# Altium PCB SPEC-A7.PcbDoc (part 5 of 10)
Units mil, origin at the board's own origin, x right, y up, seen from the top; angles counter-clockwise.
Board outline 6299.21 x 3937.01 mil, 6 copper layers (Top Layer, L2, L3, L4, L5, Bottom Layer), stack 61.319 mil thick; 731 components, 479 nets, 2733 pads, 1703 vias.
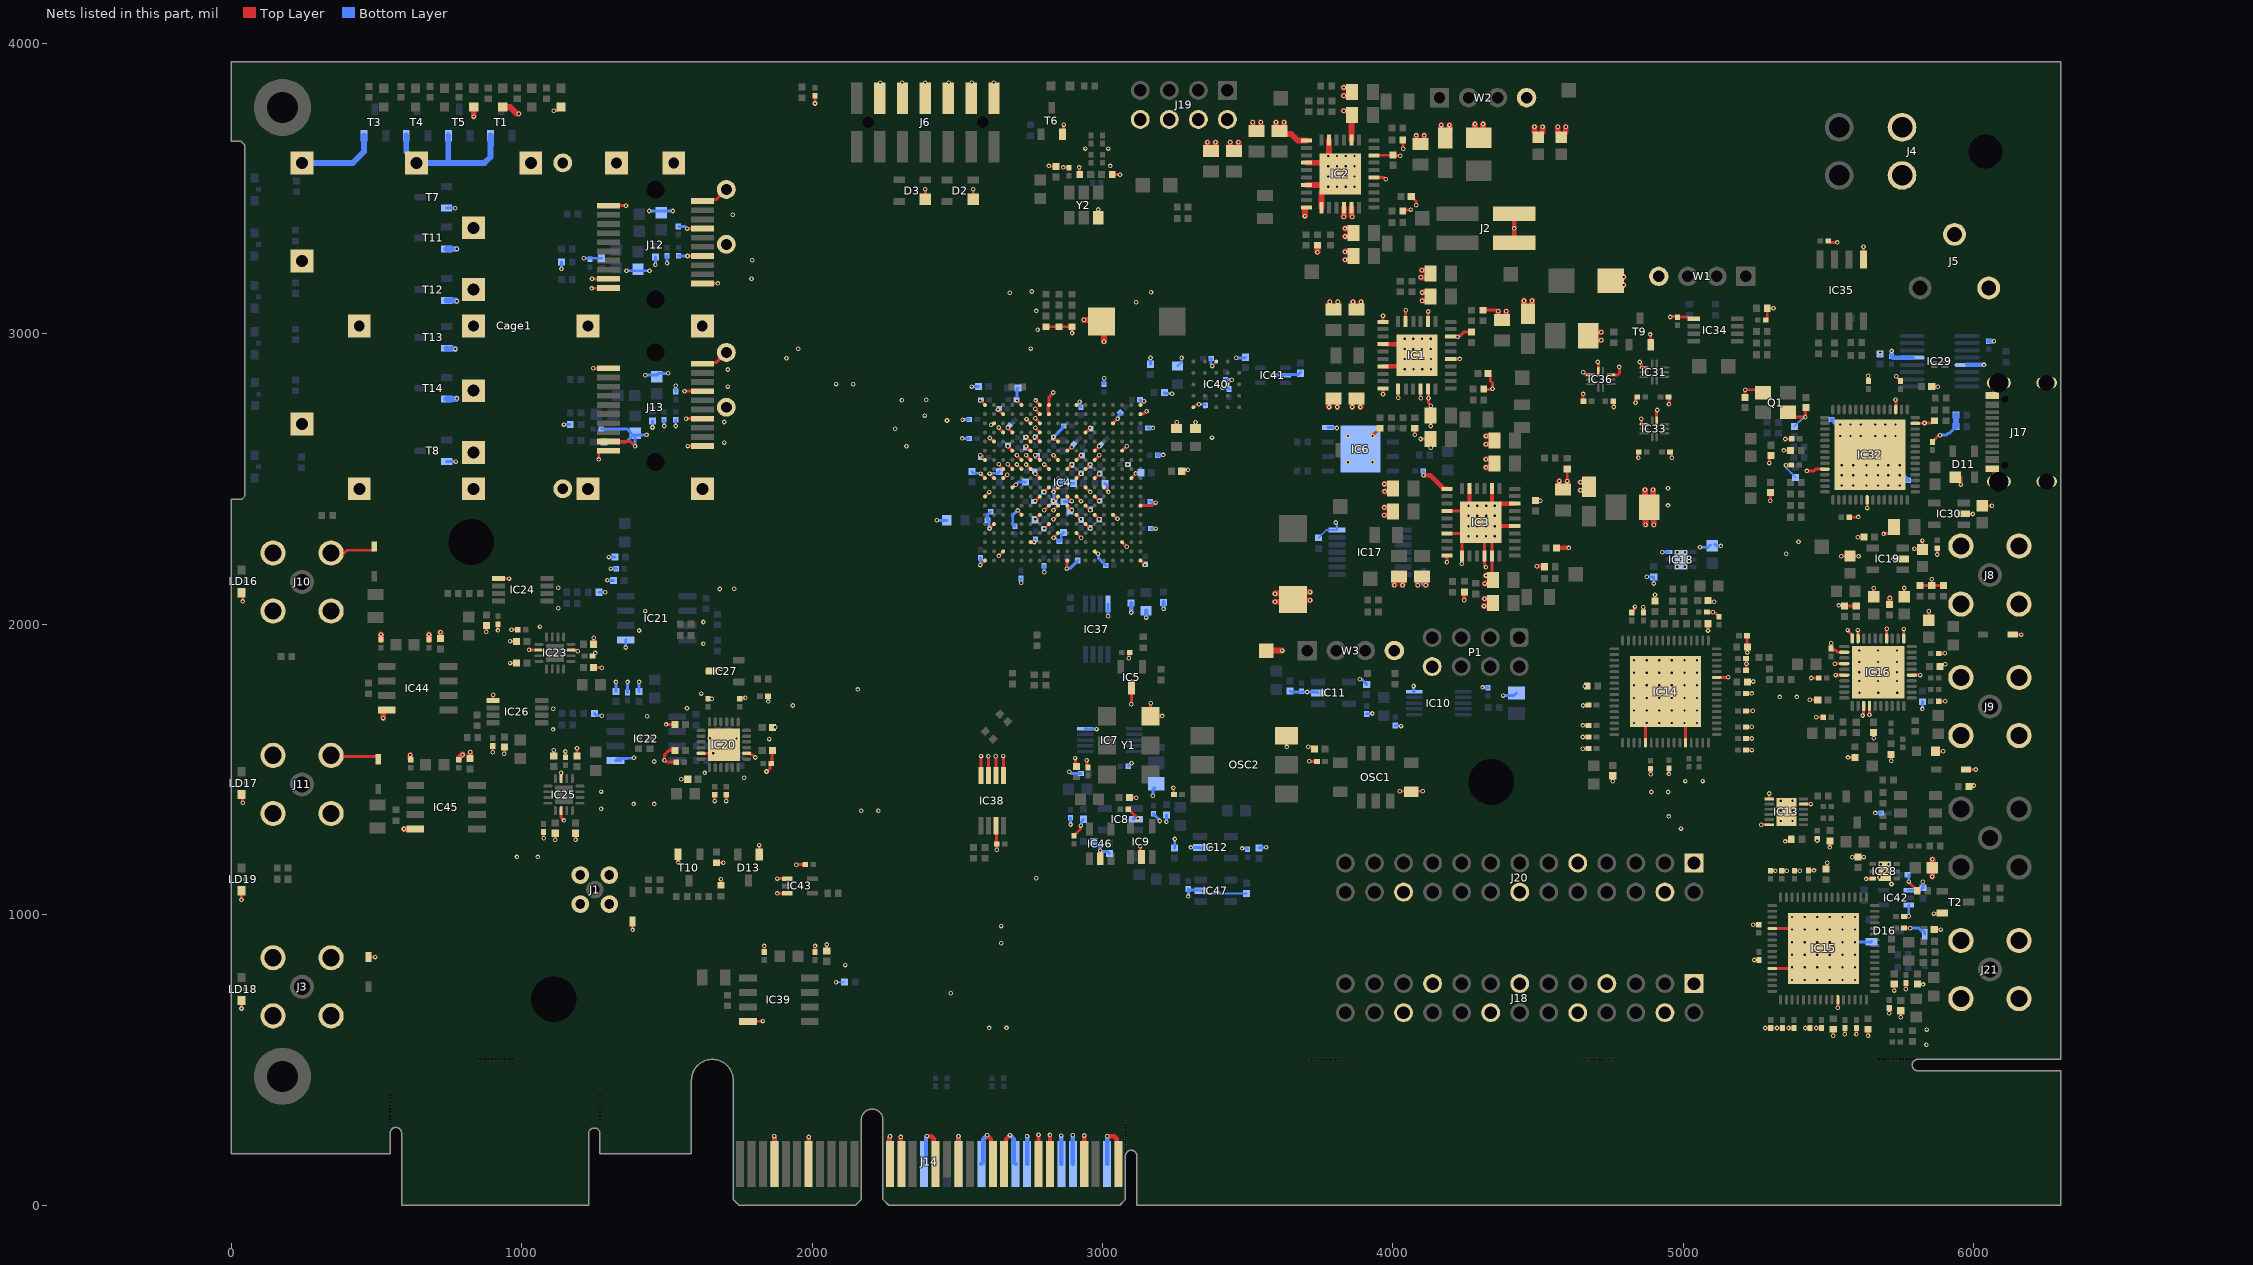
[diagram p9: the nets of this part, all layers, seen from the top]

## Via types
v1: diameter 15.75, hole 7.87, Top Layer to Bottom Layer, tented both sides, 1583 vias
v2: diameter 19.68, hole 7.87, Top Layer to Bottom Layer, tented both sides, 73 vias
v3: diameter 15.75, hole 7.87, Top Layer to Bottom Layer, 47 vias

## Nets (pads, with @x,y where several pads share a name; then routed paths per layer and width w, separated by ;. In a path a pad name is that pad's centre, name@x,y a point inside that pad or via, vN(x,y) a via of type N, cw(c..) or ccw(c..) an arc to the next point about the centre after c; other vN are vias at no path point) (continued)
GND: C1.2 C2.2 C3.2 C4.2 C5.2 C6.2 C7.1 C8.1 C9.1 C10.1 C11.1 C12.1 C13.1 C14.1 C15.1 C16.1 C17.1 C18.1 C19.1 C20.1 C21.1 C22.1 C23.1 C24.1 C25.1 C26.1 C27.1 C28.1 C29.1 C30.1 C31.1 C32.1 C33.1 C34.1 C35.1 C36.1 C37.1 C38.1 C39.1 C40.1 C41.1 C42.1 C43.1 C52.1 C54.1 C56.1 C57.1 C58.1 C59.1 C60.1 C61.1 C62.1 C63.1 C64.1 C65.1 C66.1 C67.1 C68.1 C69.1 C70.1 C71.1 C72.1 C73.1 C74.1 C75.1 C76.1 C77.1 C78.1 C79.1 C80.1 C81.1 C82.1 C83.1 C84.1 C85.1 C86.1 C87.1 C88.1 C89.1 C90.1 C91.1 C92.1 C93.1 C94.1 C95.1 C96.1 C97.1 C98.1 C99.1 C100.1 C101.1 C102.1 C103.2 C104.2 C105.1 C106.1 C107.1 C108.1 C109.1 C110.1 C111.1 C112.1 C113.1 C114.1 C115.1 C116.1 C117.1 C118.1 C119.1 C120.1 C121.1 C122.1 C123.1 C124.1 C125.1 C126.1 C127.1 C128.1 C129.1 C130.1 C131.1 C132.1 C133.1 C134.1 C135.1 C136.1 C137.1 C138.1 C139.1 C140.1 C141.1 C142.1 C143.1 C144.1 C145.1 C146.1 C147.1 C148.1 C149.1 C150.1 C153.1 C154.1 C155.1 C156.1 C157.1 C158.1 C159.1 C160.1 C161.1 C162.1 C163.1 C164.1 C168.2 C171.1 C172.1 C175.1 C176.1 C181.1 C182.1 C183.1 C184.1 C185.1 C186.1 C187.1 C188.1 C189.1 C190.1 C191.1 C192.1 C193.1 C194.1 C195.1 C196.1 C197.1 C198.1 C199.1 C200.1 C201.1 C202.1 C203.1 C204.1 C205.1 C206.1 C207.1 C208.1 C209.1 C210.1 C211.1 C212.1 C213.1 C214.1 C215.1 C216.1 C217.1 C218.1 C219.1 C220.1 C225.1 C226.1 C227.1 C229.1 C230.1 C231.1 C232.1 C233.1 C234.1 C235.1 C236.1 C237.1 C238.1 C239.1 C240.1 C241.1 C242.1 C243.1 C244.1 C245.1 C246.1 C247.1 C248.1 C249.1 C250.1 C251.1 C252.1 C253.1 C254.1 C255.1 C256.1 C257.1 C258.1 C259.1 C260.1 C261.1 C262.1 C263.1 C264.1 C265.1 C266.1 C267.1 C268.1 C269.1 C270.1 C271.1 C272.1 C273.1 C274.1 C275.1 C276.1 C277.1 C278.1 C279.1 C280.1 C281.1 C282.1 C283.1 C284.1 C285.1 C286.1 C287.1 C288.1 C289.1 C290.1 C291.1 C292.1 C293.1 C294.1 C295.1 C296.1 C297.1 C298.1 C299.1 C300.1 C301.1 C302.1 C303.1 C304.1 C305.1 C306.1 C307.1 C308.1 C309.1 C310.1 C311.1 C312.1 C313.1 C314.2 C315.1 C316.1 C317.1 C318.1 C319.1 C320.1 C321.1 C322.1 C323.1 C324.1 C325.1 C326.1 C327.1 C328.1 C329.1 C330.1 C331.1 C332.2 C333.2 C334.1 C337.1 C338.1 C339.1 C351.1 C352.1 C353.1 C354.1 C355.1 C356.1 C357.1 Cage1.1 Cage1.2 Cage1.3 Cage1.4 Cage1.5 Cage1.6 Cage1.7 Cage1.8 Cage1.9 Cage1.10 Cage1.11 Cage1.12 Cage1.13 Cage1.14 Cage1.15 Cage1.16 Cage1.17 Cage1.18 Cage1.19 Cage1.20 Cage1.21 Cage1.22 Cage1.23 Cage1.24 Cage1.25 D1.2 D2.1 D3.1 D5.2 D6.2 D7.2 D8.2 D11.1 D12.2 D13.1 D14.2 D15.2 D16.1 IC1.2 IC1.5 IC1.7 IC1.10 IC1.13 IC1.16 IC1.17 IC1.20 IC1.21 IC1.27 IC1.30 IC1.33 IC2.2 IC2.5 IC2.7 IC2.10 IC2.13 IC2.16 IC2.17 IC2.20 IC2.21 IC2.27 IC2.30 IC2.33 IC3.2 IC3.5 IC3.7 IC3.10 IC3.13 IC3.16 IC3.17 IC3.20 IC3.21 IC3.27 IC3.30 IC3.33 IC4.A1 IC4.A5 IC4.A7 IC4.A8 IC4.A11 IC4.A18 IC4.B3 IC4.B7 IC4.B8 IC4.B18 IC4.C2 IC4.C6 IC4.C7 IC4.C15 IC4.D3 IC4.D4 IC4.D7 IC4.D12 IC4.E2 IC4.E6 IC4.E7 IC4.E9 IC4.F4 IC4.F6 IC4.F10 IC4.F13 IC4.F16 IC4.G1 IC4.G5 IC4.G6 IC4.G7 IC4.G9 IC4.G11 IC4.G13 IC4.H3 IC4.H4 IC4.H5 IC4.H6 IC4.H8 IC4.H10 IC4.H12 IC4.J1 IC4.J2 IC4.J3 IC4.J7 IC4.J11 IC4.J13 IC4.J17 IC4.K4 IC4.K8 IC4.K9 IC4.K12 IC4.K14 IC4.L1 IC4.L7 IC4.L9 IC4.L10 IC4.L11 IC4.L13 IC4.M8 IC4.M9 IC4.M10 IC4.M12 IC4.M18 IC4.N5 IC4.N7 IC4.N9 IC4.N11 IC4.N13 IC4.N15 IC4.P2 IC4.P8 IC4.P12 IC4.R9 IC4.R11 IC4.T6 IC4.T16 IC4.U3 IC4.U13 IC4.V1 IC4.V10 IC4.V18 IC5.3 IC6.4 IC6.9 IC7.5 IC8.2 IC9.2 IC10.5 IC11.2 IC12.2 IC13.5 IC13.7 IC13.12 IC13.13 IC14.37 IC14.44 IC14.59 IC14.65 IC15.37 IC15.44 IC15.59 IC15.65 IC16.2 IC16.4 IC16.6 IC16.13 IC16.14 IC16.25 IC16.31 IC16.34 IC16.39 IC16.40 IC16.41 IC17.7 IC18.3 IC18.7 IC19.2 IC20.11 IC20.20 IC20.25 IC21.5 IC22.5 IC23.7 IC23.14 IC24.5 IC25.7 IC25.14 IC26.5 IC27.3 IC28.3 IC28.7 IC29.5 IC29.13 IC30.2 IC31.3 IC32.10 IC32.21 IC32.41 IC32.45 IC32.57 IC33.1 IC33.3 IC34.1 IC35.5 IC36.2 IC36.3 IC36.10 IC37.4 IC38.1 IC38.2 IC38.3 IC38.4 IC38.7 IC39.4 IC40.B3 IC40.C1 IC40.E5 IC41.2 IC42.1 IC42.3 IC43.1 IC43.3 IC44.4 IC45.4 IC46.2 IC47.2 J1.2 J2.2 J2.4 J3.2 J4.1 J4.2 J5.2 J5.3 J6.1 J6.3 J6.5 J6.7 J6.9 J6.11 J8.2 J9.2 J10.2 J11.2 J12.1 J12.9 J12.10 J12.11 J12.14 J12.17 J12.20 J13.1 J13.9 J13.10 J13.11 J13.14 J13.17 J13.20 J14.A4 J14.A12 J14.A15 J14.A18 J14.A20 J14.A23 J14.A24 J14.A27 J14.A28 J14.A31 J14.B4 J14.B7 J14.B12 J14.B13 J14.B16 J14.B18 J14.B21 J14.B22 J14.B25 J14.B26 J14.B29 J14.B32 J17.1 J17.2 J17.3 J17.4 J17.A1-B12 J17.B1-A12 J18.1 J18.4 J18.7 J18.10 J18.13 J18.16 J18.19 J18.22 J19.2 J19.4 J19.6 J19.8 J20.1 J20.4 J20.9 J20.14 J20.22 J21.2 L1.2 LD2.1 LD6.1 LD7.1 LD9.1 LD16.1 LD17.1 LD18.1 LD19.1 OSC1.4 OSC2.3 P1.8 Q1.2 Q1.4 R5.1 R9.1 R12.1 R13.1 R18.1 R21.1 R23.1 R25.1 R37.1 R39.1 R54.1 R55.1 R56.1 R63.1 R65.1 R66.1 R67.1 R68.1 R69.1 R70.1 R71.1 R76.2 R77.2 R81.1 R98.1 R103.1 R104.1 R105.2 R106.2 R112.1 R114.1 R122.1 R128.1 R129.1 R130.1 R147.2 R152.1 R153.1 R156.2 R157.2 R158.2 R177.1 R178.1 R194.1 R199.1 T1.2 T2.2 T3.2 T4.2 T5.2 T6.2 T7.2 T8.2 T9.2 T10.2 T11.2 T12.2 T13.2 T14.2 TP6.1 W1.4 W2.4 W3.4 Y1.3 Y2.3 | length 25367.8
  Top Layer w6: IC40.E5@3312.89,2747.26 3314.89,2747.26 3322.84,2755.21 3330.15,2755.21 v1(3332,2757.06) ; v1(3378,2889) 3378,2890.06 3391.63,2903.68 IC40.C1@3391.63,2904.74 ; IC40.B3@3431,2826 3431,2827 3445,2841 v1(3445,2842)
  Top Layer w10: v1(35.43,677.17) LD18.1@35.43,704.72 ; v1(35.43,1051.18) LD19.1@35.43,1082.68 ; LD17.1@36.06,1413.39 38.27,1411.18 38.27,1386.93 v1(39.37,1385.83) ; v1(39.37,2078.74) 39.69,2079.06 39.69,2108.32 LD16.1@40,2108.63 ; 389.33,1544.88 501.22,1544.88 506.06,1540.04 D8.2@506.06,1535.16 ; 389.33,2245.67 398.66,2255 487.28,2255 492.13,2259.84 D7.2@492.13,2267.72 ; D14.2@472.44,854.33 v1(496.06,854.33) ; v1(878.33,1973.9) 878.4,1973.97 878.4,1996.11 C265.1@878.46,1996.18 ; v1(900.59,1559.57) C273.1@900.59,1580.79 ; IC26.5@901.93,1737.95 v1(901.93,1757.83) ; v1(918.46,1978.9) C266.1@918.46,2000.12 ; IC24.5@919.8,2157.28 919.9,2157.38 956.59,2157.38 v1(956.69,2157.48) ; v1(940.59,1554.57) C272.1@940.59,1576.85 ; v1(960.08,1866.38) C280.1@982.36,1866.38 ; v1(960.08,1941.38) C264.1@982.36,1941.38 ; v1(965.08,1981.38) C262.1@986.3,1981.38 ; v1(1025.58,1912.05) 1026.34,1911.3 IC23.14@1049.21,1911.3 ; v1(1075.67,1263.39) C269.1@1075.67,1284.61 ; v1(1110.12,3767.86) 1111.67,3767.86 1113.56,3769.75 1124.25,3769.75 LD2.1@1135,3780.5 ; C270.1@1110.67,1546.1 v1(1110.67,1566.08) ; v1(1115.67,1258.39) C267.1@1115.67,1280.67 ; IC25.14@1135.83,1358.27 1135.91,1358.19 1135.91,1334.42 v1(1145.67,1324.65) ; IC25.7@1135.83,1468.5 v1(1135.83,1488.54) ; C268.1@1150.67,1542.17 v1(1150.67,1561.93) ; IC23.7@1170.2,1911.22 1170.28,1911.14 1187.45,1911.14 1191.27,1907.32 v1(1192.82,1907.32) v1@1192.96,1907.19 ; v1(1185.67,1258.39) C279.1@1185.67,1280.67 ; C271.1@1190.67,1546.1 v1(1190.67,1573.39) ; v1(1240.83,3156.38) 1241.52,3157.07 1298.52,3157.07 J12.10@1299.21,3157.76 ; v1(1242.32,3189.25) J12.9@1299.21,3189.25 ; C261.1@1243.86,1891.38 v1(1253.86,1901.38) ; v1(1246.97,2881.22) J13.1@1299.21,2881.22 ; C260.1@1247.8,1851.38 1248.2,1850.97 1275.49,1850.97 v1(1275.89,1850.56) ; C263.1@1247.8,1931.38 v1(1247.8,1954.09) ; v1(1265.63,2567.56) 1265.63,2592.91 1270.47,2597.76 J13.10@1299.21,2597.76 ; J13.9@1299.21,2629.25 1373.94,2629.25 v1(1390.63,2612.56) ; J12.1@1299.21,3441.22 v1(1359.29,3441.22) ; v1(1324.67,1801.42) v1@1324.67,1802.97 ; v1@1363.57,1802.52 v1(1364.67,1801.42) ; v1(1381.89,947.56) D12.2@1381.89,976.38 ; v1(1497.19,1655.2) C276.1@1528.31,1655.2 ; C277.1@1528.31,1565.2 1506.15,1565.2 1491.52,1550.57 v1(1491.52,1531.56) 1493.07,1531.56 1499.43,1525.2 C253.1@1532.25,1525.2 ; v1(1538.74,1180.1) T10.2@1538.74,1207.78 ; v1(1549.13,1466.42) C256.1@1571.95,1466.42 ; v1(1560.71,2802.48) J13.17@1622.05,2802.48 ; v1(1566.06,2707.99) J13.14@1622.05,2707.99 ; v1(1570.55,3362.48) J12.17@1622.05,3362.48 ; v1(1571.06,3267.99) J12.14@1622.05,3267.99 ; v1(1571.57,2613.5) J13.11@1622.05,2613.5 ; IC20.11@1617.29,1555.68 1645.91,1555.68 1648.53,1558.29 v1(1648.53,1607.56) 1673.67,1607.56 IC20.25@1696.03,1585.2 ; J13.20@1622.05,2896.97 1626.89,2901.81 1670.51,2901.81 Cage1.19@1704.72,2936.02 ; J12.11@1622.05,3173.5 v1(1674.68,3173.5) ; J12.20@1622.05,3456.97 1626.89,3461.81 1669.49,3461.81 Cage1.17@1704.72,3497.05 ; C255.1@1641.03,1743.98 1641.42,1743.59 1653.9,1743.59 v1(1654.29,1743.2) ; IC27.3@1653.54,1838.58 1660.32,1845.36 1683.94,1845.36 v1(1685.04,1846.46) ; v1(1664.67,1391.42) C252.1@1664.67,1412.64 ; R153.1@1671.14,1179 v1(1694.65,1179) ; R152.1@1686.14,1101.01 v1(1686.14,1122.51) ; v1(1704.67,1391.42) C251.1@1704.67,1412.64 ; C254.1@1751.03,1743.98 1752.48,1743.98 1754.89,1746.39 1769.32,1746.39 v1(1770.42,1747.49) ; IC20.20@1774.77,1555.68 1785.1,1555.68 1788.88,1551.9 1792.97,1551.9 1803.45,1541.42 v1(1804.67,1541.42) ; IC39.4@1779.05,632.58 1779.69,633.22 1830.07,633.22 v1(1830.71,633.86) ; D13.1@1818.54,1207.78 v1(1818.54,1239.91) ; C303.1@1835.35,871.36 v1(1835.35,892.58) ; v1(1843.04,1493.04) 1844.6,1493.04 1853.27,1501.71 1854.96,1501.71 1854.96,1516.35 1858.82,1520.2 C250.1@1859.81,1520.2 1861.78,1522.17 1861.78,1563.24 C278.1@1863.74,1565.2 ; C274.1@1848.43,1751.97 1848.92,1751.48 1848.92,1734.95 v1(1849.41,1734.45) ; C275.1@1863.74,1645.2 v1(1872.95,1645.2) C275.1@1874.05,1646.3 ; v1(1880.5,1073.41) IC43.3@1914.69,1073.41 ; v1(1880.5,1124.59) IC43.1@1914.69,1124.59 ; v1(1945.14,1172.51) C54.1@1972.43,1172.51 ; v1(2010,3792.98) C134.1@2010,3819.2 ; C324.1@2010.35,871.36 v1(2010.35,892.58) ; C325.1@2050.35,875.3 v1(2050.35,897.58) ; J6.11@2232.52,3811.64 2235,3814.12 v1(2235,3865.1) ; v1(2310,3865.1) 2310,3812.9 J6.9@2311.26,3811.64 ; v1(2390,3497.98) 2390.28,3497.7 D3.1@2390.28,3463.45 ; J6.7@2390,3811.64 v1(2390,3865.1) ; J6.5@2468.74,3811.64 2470,3812.9 v1(2470,3865.1) ; J6.3@2547.48,3811.64 2550,3814.16 v1(2550,3865.1) ; D2.1@2555,3462.98 v1(2555,3497.98) ; v1(2579.29,2203.76) IC4.V1@2595.04,2219.51 ; v1(2579.29,2581.72) IC4.G1@2595.04,2565.97 ; v1(2579.29,2770.69) IC4.A1@2595.04,2754.95 ; v1(2579.98,2518.91) 2579.98,2518.47 2595.04,2503.41 IC4.J1@2595.04,2502.98 ; v1@2580.08,1547.98 v1(2581.69,1546.36) 2581.65,1546.32 2581.65,1479.63 IC38.4@2581.61,1479.59 ; IC4.L1@2595.04,2439.99 v1(2610.24,2455.18) ; IC38.3@2607.2,1479.59 v1(2607.2,1545.77) ; v1(2610.79,2329.75) IC4.P2@2626.54,2345.5 ; v1(2610.79,2518.91) 2610.79,2518.82 2626.54,2503.07 IC4.J2@2626.54,2502.98 ; v1(2611.84,2641.27) 2613.2,2641.27 2625.51,2628.96 IC4.E2@2626.54,2628.96 ; v1(2616.12,2687.15) 2617.67,2687.15 2621.75,2691.23 2625.81,2691.23 IC4.C2@2626.54,2691.95 ; v1(2625,3865.1) 2625,3812.86 J6.1@2626.22,3811.64 ; IC38.7@2632.8,1306.36 2634.51,1304.65 2634.51,1244.69 C33.1@2636.22,1242.98 v1(2636.22,1224.2) ; IC38.2@2632.8,1479.59 v1(2632.8,1545.18) ; v1(2640.16,2739.2) 2641.26,2739.2 2657.01,2723.45 IC4.B3@2658.03,2723.45 ; v1(2642.28,2235.26) IC4.U3@2658.03,2251.01 ; v1(2642.28,2550.85) 2642.28,2550.54 2658.03,2534.79 IC4.H3@2658.03,2534.47 ; v1(2642.28,2677.58) 2642.28,2676.89 2658.03,2661.15 IC4.D3@2658.03,2660.46 ; IC4.J3@2658.03,2502.98 2658.92,2502.98 2670.95,2515 v1(2671.84,2515) ; IC38.1@2658.39,1479.59 v1(2658.39,1546.36) ; v1(2673.78,2550.75) 2673.78,2550.48 2689.53,2534.74 IC4.H4@2689.53,2534.47 ; v1(2673.78,2613.21) IC4.F4@2689.53,2597.47 ; v1(2673.78,2676.21) IC4.D4@2689.53,2660.46 ; IC4.K4@2689.53,2471.48 2690.55,2471.48 2699.38,2480.32 v1(2700.79,2480.32) ; v1(2705.28,2550.22) IC4.H5@2721.02,2534.47 ; v1(2705.28,2581.72) IC4.G5@2721.02,2565.97 ; v1(2705.28,2770.69) IC4.A5@2721.02,2754.95 ; v1(2707.59,2391.96) 2707.59,2391.2 2721.02,2377.76 IC4.N5@2721.02,2376.99 ; v1(2736.77,2550.22) IC4.H6@2752.52,2534.47 ; v1(2736.77,2581.72) IC4.G6@2752.52,2565.97 ; v1(2736.77,2613.21) IC4.F6@2752.52,2597.47 ; v1(2736.77,2644.71) IC4.E6@2752.52,2628.96 ; v1(2738.17,2706.54) 2738.17,2706.42 2752.52,2692.07 IC4.C6@2752.52,2691.95 ; IC4.T6@2752.52,2282.51 2752.76,2282.74 2764.02,2282.74 v1(2764.26,2282.98) ; v1(2766.89,2644.71) 2767.73,2644.71 2783.48,2628.96 IC4.E7@2784.02,2628.96 ; v1(2768.27,2361.25) IC4.N7@2784.02,2376.99 ; v1(2768.27,2424.24) IC4.L7@2784.02,2439.99 ; v1(2768.27,2518.73) IC4.J7@2784.02,2502.98 ; v1(2768.27,2581.72) IC4.G7@2784.02,2565.97 ; v1(2768.27,2676.21) IC4.D7@2784.02,2660.46 ; v1(2768.27,2709.08) 2768.27,2708.24 2784.02,2692.49 IC4.C7@2784.02,2691.95 ; v1(2768.8,2741.95) 2768.71,2741.86 2768.71,2738.76 IC4.B7@2784.02,2723.45 ; v1(2769.33,2770.69) 2769.33,2770.16 2784.02,2755.48 IC4.A7@2784.02,2754.95 ; v1(2799.76,2329.75) IC4.P8@2815.51,2345.5 ; v1(2799.76,2392.74) IC4.M8@2815.51,2408.49 ; v1(2799.76,2455.73) IC4.K8@2815.51,2471.48 ; v1(2799.76,2550.22) IC4.H8@2815.51,2534.47 ; R128.1@2805,3024.47 R129.1@2850,3024.47 R130.1@2895,3024.47 v1(2895,3002.98) ; v1(2815,3577.98) 2816.1,3576.88 2838.82,3576.88 C163.1@2840,3575.69 ; IC4.B8@2815.51,2723.45 2814.79,2724.17 2814.79,2731.01 2812.32,2733.47 2812.32,2750.73 2815.51,2753.92 IC4.A8@2815.51,2754.95 2815.51,2781.93 2830,2796.42 v1(2830,2797.98) ; v1(2831.26,2298.25) IC4.R9@2847.01,2314 ; v1(2831.26,2361.25) IC4.N9@2847.01,2376.99 ; v1(2831.26,2392.74) IC4.M9@2847.01,2408.49 ; v1(2831.26,2424.24) IC4.L9@2847.01,2439.99 ; v1(2831.26,2455.73) IC4.K9@2847.01,2471.48 ; v1(2831.26,2581.72) IC4.G9@2847.01,2565.97 ; v1(2831.26,2644.71) IC4.E9@2847.01,2628.96 ; T6.2@2862.4,3687.7 2865.04,3690.34 2865.04,3719.37 v1(2866.14,3720.47) ; v1(2865,3572.98) 2865.61,3572.37 2884.39,3572.37 C164.1@2885,3571.76 ; v1(2877.14,2191.89) 2877.82,2192.57 2877.82,2218.83 IC4.V10@2878.5,2219.51 ; IC4.M10@2878.5,2408.49 v1(2894.25,2392.74) ; IC4.L10@2878.5,2439.99 v1(2894.25,2424.24) ; IC4.H10@2878.5,2534.47 v1(2894.25,2550.22) ; IC4.F10@2878.5,2597.47 2879.53,2597.47 2890.66,2608.6 2893.15,2608.6 v1(2894.25,2609.7) ; C145.1@2901.57,1271.65 2901.57,1272.64 2924.09,1295.15 2924.09,1305.98 v1(2925.19,1307.08) ; v1(2905.51,1539.37) 2906.61,1538.27 2906.61,1514.08 C135.1@2910,1510.69 ; IC4.R11@2910,2314 2910.56,2314 2926.31,2298.25 v1(2926.86,2298.25) ; IC4.N11@2910,2376.99 v1(2925.75,2361.25) ; IC4.L11@2910,2439.99 v1(2925.75,2424.24) ; IC4.J11@2910,2502.98 v1(2925.75,2518.73) ; IC4.G11@2910,2565.97 v1(2925.75,2581.72) ; IC4.A11@2910,2754.95 v1(2920.82,2765.77) ; v1(2920,3572.98) 2920.75,3572.23 2920.75,3548.73 R55.1@2921.5,3547.98 ; IC4.P12@2941.5,2345.5 v1(2957.24,2329.75) ; IC4.M12@2941.5,2408.49 v1(2957.24,2392.74) ; IC4.K12@2941.5,2471.48 v1(2957.24,2455.73) ; IC4.H12@2941.5,2534.47 v1(2957.24,2550.22) ; IC4.D12@2941.5,2660.46 v1(2956.93,2675.9) ; v1(2944.88,1531.5) 2944.88,1529.94 2946.14,1528.68 2946.14,1510.62 C136.1@2950,1506.76 ; IC4.U13@2972.99,2251.01 2974.02,2251.01 2981.02,2244 2983.18,2244 v1(2984.28,2242.9) ; IC4.N13@2972.99,2376.99 v1(2988.74,2361.25) ; IC4.L13@2972.99,2439.99 v1(2988.74,2424.24) ; IC4.J13@2972.99,2502.98 v1(2988.74,2518.73) ; IC4.G13@2972.99,2565.97 v1(2988.74,2581.72) ; IC4.F13@2972.99,2597.47 v1(2988.74,2613.21) ; Y2.3@2985,3399.67 v1(2985,3427.98) ; IC46.2@2992.13,1192.91 v3(2992.13,1220.97) ; IC4.K14@3004.49,2471.48 v1(3020.24,2455.73) ; R56.1@3033.5,3547.98 v1(3060,3547.98) ; IC4.N15@3035.98,2376.99 3037.01,2376.99 3050.38,2363.62 v1(3051.51,2363.62) ; IC4.C15@3035.98,2691.95 v1(3051.73,2707.7) ; IC4.T16@3067.48,2282.51 v1(3083.23,2266.76) ; IC4.F16@3067.48,2597.47 3067.48,2597.59 3083.1,2613.21 v1(3083.1,2613.34) ; C147.1@3088.78,1362.98 3089.76,1362.98 3121.07,1331.67 v1(3121.07,1331.08) ; v1(3090,1882.98) 3091.1,1884.08 3091.1,1900.3 C132.1@3093.78,1902.98 ; C146.1@3092.72,1402.98 v1(3115.99,1402.98) ; v1(3098.43,1724.41) 3099.21,1725.2 3099.21,1781.76 IC5.3@3100,1782.54 ; IC4.J17@3098.98,2502.98 3098.98,2503.32 3114.72,2519.07 v1(3114.72,2519.41) ; v1(3129.92,1236.22) 3131.02,1235.12 3131.02,1201.66 IC9.2@3133.86,1198.82 ; IC4.V18@3130.47,2219.51 3130.72,2219.51 3145.97,2204.26 v1(3146.22,2204.26) ; IC4.M18@3130.47,2408.49 3171.04,2408.49 3181.55,2419 v1(3183.1,2419) ; IC4.B18@3130.47,2723.45 3131.2,2724.17 3140.24,2724.17 3149.96,2733.9 v1(3151.52,2733.9) ; IC4.A18@3130.47,2754.95 v1(3143,2767.47) ; v1(3165.73,1727.69) 3165.73,1704.53 Y1.3@3165.84,1704.42 ; Y1.3@3182.58,1684.5 v1(3205.85,1684.5) ; v3(3244.09,1437.01) 3245.08,1436.02 3245.08,1414.37 C337.1@3246.06,1413.39 ; C117.1@3272.72,2526.99 3277.02,2531.29 3292.92,2531.29 v1(3294.02,2532.39) ; C119.1@3320,2674.47 v1(3320,2695.63) ; OSC2.3@3633.27,1615.75 3633.86,1615.16 v3(3633.86,1577.83) ; v3(3708.65,1578.74) 3709.75,1577.64 3723.54,1577.64 C153.1@3730.31,1570.87 ; v3(3711.67,1528.46) 3712.12,1528.01 3737.74,1528.01 C154.1@3738.19,1527.56 ; v1(3929.51,2647.98) 3930.61,2649.08 3930.61,2650.87 3954.21,2674.47 R9.1@3955,2674.47 ; IC2.27@3935,3537.98 3968.07,3537.98 3973.44,3532.6 v1(3975,3532.6) ; IC2.30@3935,3614.75 3999.06,3614.75 C8.1@4000,3615.69 4001.62,3614.08 4023.9,3614.08 v1(4025,3612.98) ; v1(3965.68,2792.3) IC1.16@3965.68,2811.17 ; IC1.7@3965.68,3041.48 v1(3965.68,3062.3) ; v1(4018.03,2779.95) IC1.17@4018.03,2809.69 ; v3(4023.62,1425.2) 4061.42,1425.2 OSC1.4@4062.99,1423.62 4064.57,1425.2 v3(4102.36,1425.2) ; R23.1@4033.5,3422.98 4037.33,3426.8 4060.14,3426.8 v1(4061.24,3427.9) ; R21.1@4033.5,3667.98 4034.25,3667.23 4034.25,3638.35 v1(4035,3637.6) ; IC1.5@4043.62,3042.96 v1(4043.62,3081.59) ; C30.1@4062.72,3472.98 4080,3455.69 v1(4080,3442.98) ; v1(4075,2652.98) R5.1@4075,2674.47 ; v1(4095,2637.98) C19.1@4129.57,2637.98 v1(4129.57,2608.1) v1@4130,2607.66 ; v1(4095.11,2778.09) IC1.20@4095.11,2809.69 ; IC1.21@4121.02,2809.69 4121.57,2809.14 4121.57,2778.45 v1(4122.12,2777.9) 4122.12,2761.55 4129.57,2754.1 v1(4129.57,2752.54) C20.1@4129.57,2717.98 v1(4129.57,2682.54) ; IC1.2@4121.02,3042.96 v1(4121.02,3076.96) ; v1(4185.68,2213.66) IC3.16@4185.68,2236.17 ; IC3.13@4185.68,2312.94 4263.93,2312.94 4238.03,2287.03 IC3.17@4238.03,2234.69 4237.29,2233.95 4237.29,2208.75 v1(4236.55,2208.01) ; IC3.10@4185.68,2389.71 IC3.33@4263.93,2389.71 ; IC1.27@4198.95,2913.53 v1(4229.45,2913.53) ; IC1.30@4198.95,2990.3 v1(4222.32,2990.3) 4223.42,2991.4 4229.64,2991.4 4243.93,3005.69 C7.1@4270,3005.69 ; R13.1@4308.5,2807.98 4337.92,2807.98 4340.96,2811.02 v1(4342.52,2811.02) 4342.52,2830.74 4334.92,2838.34 4334.92,2855.77 C21.1@4327.72,2862.98 ; R12.1@4310,3081.48 4357.11,3081.48 4360.61,3077.98 v1(4362.17,3077.98) ; IC3.33@4315.11,2338.53 IC3.20@4315.11,2234.69 4315,2234.58 4315,2203.36 4320,2198.36 v1(4320,2196.81) ; IC3.33@4341.02,2312.62 IC3.21@4341.02,2234.69 4341.02,2161.59 4341.02,2156.53 C41.1@4344.57,2152.98 ; v1(4600,2492.98) R37.1@4600,2534.47 ; C309.1@4652.28,2767.98 4653.9,2769.59 4653.9,2791.88 v1(4655,2792.98) ; v1@4653.62,1570.28 v1(4653.62,1571.84) C211.1@4673.15,1571.84 ; v1@4653.62,1610.28 v1(4653.62,1611.84) C210.1@4673.15,1611.84 ; v1@4653.62,1650.28 v1(4653.62,1651.84) C209.1@4673.15,1651.84 ; v1(4654.93,1720.28) 4655.71,1721.06 4672.37,1721.06 C208.1@4673.15,1721.84 ; v1(4655,2867.98) 4664.25,2858.73 IC36.3@4679.57,2858.73 ; v1(4659.63,1786.77) 4659.7,1786.84 R66.1@4668.43,1786.84 ; v1(4705,2902.98) 4705,2901.42 4707.13,2899.3 IC36.2@4707.13,2870.54 ; IC36.10@4750.43,2858.73 4773.53,2858.73 4779.38,2864.58 v1(4779.38,2885.97) ; C191.1@4756.69,1478.65 v1(4756.69,1459.12) v1@4758.25,1459.12 ; v1(4760,2747.98) 4761.1,2749.08 4761.1,2766.36 C307.1@4762.72,2767.98 ; C200.1@4821.93,2040.62 4825.79,2044.47 4825.79,2045.46 4831.74,2051.41 4831.74,2059.89 v1(4832.84,2060.99) ; v1(4835,2762.98) 4836.1,2764.08 4836.1,2781.79 C308.1@4837.28,2782.98 ; C310.1@4842.28,2592.98 4843.9,2591.36 4843.9,2574.08 v1(4845,2572.98) ; v1(4850,2902.98) 4850,2901.42 4854.88,2896.54 4854.88,2884.79 4855.94,2883.73 IC31.3@4864.57,2883.73 ; v1(4855,2707.98) 4856.1,2706.88 4856.1,2689.79 4857.16,2688.73 IC33.3@4864.57,2688.73 ; v1@4861.28,2058.8 v1(4861.93,2058.15) C199.1@4861.93,2040.62 ; IC14.37@4869.45,1591.84 4869.45,1699.12 v2(4873.39,1703.06) v2(4916.69,1746.36) IC14.65@4938.35,1768.02 v2(4960,1746.36) v2(5003.31,1703.06) 5007.24,1699.12 IC14.44@5007.24,1591.84 ; v1(4885,2997.98) 4885,2996.42 4887.4,2994.02 T9.2@4887.4,2962.7 ; C212.1@4886.93,1503.06 v1(4886.93,1483.53) v1@4888.48,1483.53 ; C175.1@4901.93,2079.55 v1(4901.93,2101.73) ; IC33.1@4907.87,2698.57 4907.87,2734.2 4909.97,2736.29 v1(4909.97,2737.85) ; C213.1@4950,1504.2 v1(4950,1484.67) v1@4951.56,1484.67 ; v1(4950,2757.98) 4951.1,2759.08 4951.1,2781.36 C306.1@4952.72,2782.98 ; v1(4955,3057.98) 4956.1,3059.08 4978.38,3059.08 4980,3060.69 4982.72,3057.98 5014.8,3057.98 5021.42,3051.36 IC34.1@5035.2,3051.36 ; C305.1@4957.72,2592.98 4958.9,2591.79 4958.9,2574.08 v1(4960,2572.98) ; C219.1@5080.71,2041.84 v1(5101.14,2041.84) 5102.24,2040.74 5107.79,2040.74 5121.93,2026.6 C214.1@5121.93,2025.62 ; v1(5084.65,1978.33) C220.1@5084.65,2001.84 ; C218.1@5084.65,2081.84 5087.38,2079.11 5105.08,2079.11 v1(5106.18,2078.01) ; IC14.59@5114.53,1817.23 v1(5154.25,1817.23) ; C313.1@5212.06,2781.26 5212.36,2781.55 5212.36,2806.67 v1(5213.23,2807.55) 5263.21,2807.55 Q1.2@5273.75,2797.01 ; C192.1@5215.71,1566.84 v1(5235.24,1566.84) v1@5235.24,1568.39 ; C193.1@5215.71,1606.84 v1(5235.24,1606.84) v1@5235.24,1608.39 ; C194.1@5215.71,1646.84 v1(5235.24,1646.84) v1@5235.24,1648.39 ; C195.1@5215.71,1701.84 v1(5238.37,1701.84) ; C196.1@5215.71,1761.84 v1(5235.24,1761.84) v1@5235.24,1763.39 ; C197.1@5215.71,1841.84 5216.37,1842.49 5216.37,1862.96 v1(5217.03,1863.62) 5216.37,1864.28 5216.37,1881.18 C198.1@5215.71,1881.84 C198.1@5218.07,1884.2 ; C38.1@5218.5,1960.63 5219.47,1959.67 5219.47,1922.8 R70.1@5220.43,1921.84 5220.14,1921.54 5220.14,1903.25 v1(5219.84,1902.96) ; R68.1@5220.43,1801.84 5221,1802.41 5239.43,1802.41 v1(5240,1802.98) ; v1@5238.86,1801.84 v1@5240,1800.69 ; v1(5240.39,965.91) C202.1@5259.17,965.91 ; v1(5243.75,844.15) 5243.92,844.32 5259.67,844.32 C185.1@5259.84,844.49 ; v1(5267.56,1310.04) IC13.12@5295.28,1310.04 ; v1(5281.85,610.04) C206.1@5300.63,610.04 ; C314.2@5287.72,3047.98 5288.5,3048.77 R122.1@5288.5,3087.98 v1(5310,3087.98) ; IC13.7@5295.28,1398.62 v1(5295.28,1417.32) ; v1(5295.28,2555.12) 5296.38,2556.22 5296.38,2575.14 C315.1@5302.06,2580.83 ; C184.1@5299.21,1151.57 5299.45,1151.34 5316.46,1151.34 v1(5316.7,1151.1) ; v1(5299.21,2425.2) 5299.58,2425.56 5299.58,2450.89 C317.1@5299.21,2451.25 ; IC15.44@5306.1,814.96 5374.02,814.96 IC15.65@5381.89,807.09 ; IC15.37@5306.1,952.76 IC15.65@5374.02,952.76 ; v1(5321.85,610.04) C188.1@5340.63,610.04 ; C201.1@5338.58,1151.57 v1(5355.9,1151.58) ; v1(5345,2598.55) R112.1@5368.56,2598.54 ; v1(5349.76,1252.34) 5350.86,1253.44 5364.86,1253.44 R63.1@5371.26,1259.84 ; v1(5350,2637.98) 5350.28,2638.26 5373,2638.26 C316.1@5373.28,2638.54 ; v1(5352.94,2547.41) 5353.22,2547.69 5370.94,2547.69 C318.1@5371.22,2547.98 ; Q1.4@5360.37,2730.08 5377.47,2712.98 v1(5420,2712.98) 5420,2743.77 C312.1@5422.06,2745.83 ; v1(5361.85,610.04) C205.1@5380.63,610.04 ; C183.1@5381.89,1151.57 v1(5400.67,1151.57) ; IC13.5@5413.39,1380.91 v1(5438.43,1380.91) ; v1(5419.19,610.04) C187.1@5435.63,610.04 ; v1(5425,2527.98) 5449.04,2527.98 5455.55,2534.49 IC32.10@5487.06,2534.49 ; C182.1@5430.63,1152.6 v1(5449.41,1152.6) ; v1(5435,1740) C237.1@5462.28,1740 ; v1(5440,1815) C242.1@5462.28,1815 ; v1(5456.85,610.04) C204.1@5475.63,610.04 ; v1(5457.28,1680) C243.1@5477.28,1680 ; v1(5460.63,1255.53) C172.1@5460.63,1261.81 ; R67.1@5490.63,1157.32 5494.22,1160.91 5494.22,1177.72 v1(5495.31,1178.82) ; C304.1@5502.52,3319.71 5507.52,3314.71 v1(5529.8,3314.71) ; v1(5503.94,1231.65) C171.1@5503.94,1253.94 ; v1(5508.57,1935.1) 5508.44,1934.97 5508.44,1916.55 C233.1@5508.3,1916.41 5508.3,1915.43 5512.16,1911.57 5522.37,1911.57 5530.04,1903.9 IC16.2@5553.86,1903.9 ; v1(5515.63,583.82) R69.1@5515.63,605.31 ; v1@5520.16,1825.16 v1(5523.86,1825.16) IC16.6@5553.86,1825.16 ; v1(5520.47,1864.53) IC16.4@5553.86,1864.53 ; v1(5531.5,679.68) IC15.59@5531.5,707.68 ; v1(5535,2065) 5536.1,2063.9 5553.82,2063.9 C235.1@5555,2062.72 C246.1@5595,2062.72 ; v1(5543.75,2234.53) C240.1@5573.28,2234.53 v1(5602.81,2234.53) ; v1(5555.63,588.82) C203.1@5555.63,610.04 ; v1(5565,1980) 5565,1979.37 5581.42,1962.95 IC16.40@5581.42,1951.14 ; v1(5566.5,1541.5) R81.1@5590,1541.5 ; C322.1@5574.78,2368.54 5598.68,2368.54 5599.8,2369.66 v1(5601.35,2369.66) ; v1(5580.73,1198.19) 5580.94,1198.41 5599.68,1198.41 5599.97,1198.12 C225.1@5600.47,1198.62 C225.1@5600.47,1198.62 v1(5620.93,1198.55) v1(5620.93,1198.55) ; v1(5595.63,588.82) C186.1@5595.63,610.04 ; v1(5600,1980) 5601.1,1978.9 IC16.39@5601.1,1951.14 ; v1(5600,2300) C241.1@5622.28,2300 ; v1(5616.72,1685.88) 5616.72,1687.43 5620.44,1691.15 5620.44,1718.51 IC16.13@5620.79,1718.86 ; IC35.5@5619.8,3256.01 v1(5619.8,3299.71) ; v1(5628.7,1123.27) 5629.07,1123.64 5651.2,1123.64 IC28.3@5651.57,1124.02 ; v1@5632.74,2400.12 IC32.21@5632.73,2428.19 ; v1(5635.63,583.82) R71.1@5635.63,605.31 ; v1(5636.71,2855.18) 5636.88,2855 5636.88,2841.44 C321.1@5637.06,2841.26 ; v1@5640.47,1685.47 v1(5640.47,1688.66) IC16.14@5640.47,1718.86 ; C244.1@5655,1627.28 C244.1@5655,1627.28 5655.04,1607.36 v1(5655.07,1607.33) ; C236.1@5655,2094.53 v1(5655,2123.7) ; v1(5688.98,2311.02) 5690.04,2312.09 5708.74,2312.09 5724.41,2327.76 C52.1@5724.41,2338.58 ; IC16.34@5699.53,1951.14 v1(5699.53,1984.53) ; v1(5708.66,660.43) C189.1@5708.66,679.13 ; v1(5715,1530) R77.2@5715,1551.5 ; v1(5723.28,2225) IC19.2@5754.46,2225 ; v1(5725.63,738.82) C217.1@5725.63,761.1 ; v1(5730,2772.98) 5730,2771.42 5731.16,2770.27 IC32.45@5731.16,2739.21 ; v1(5732.28,2854.33) 5732.28,2853.09 5744.11,2841.26 C320.1@5747.06,2841.26 ;